# KiCad board FrontEnd_5G.kicad_pcb (continued)
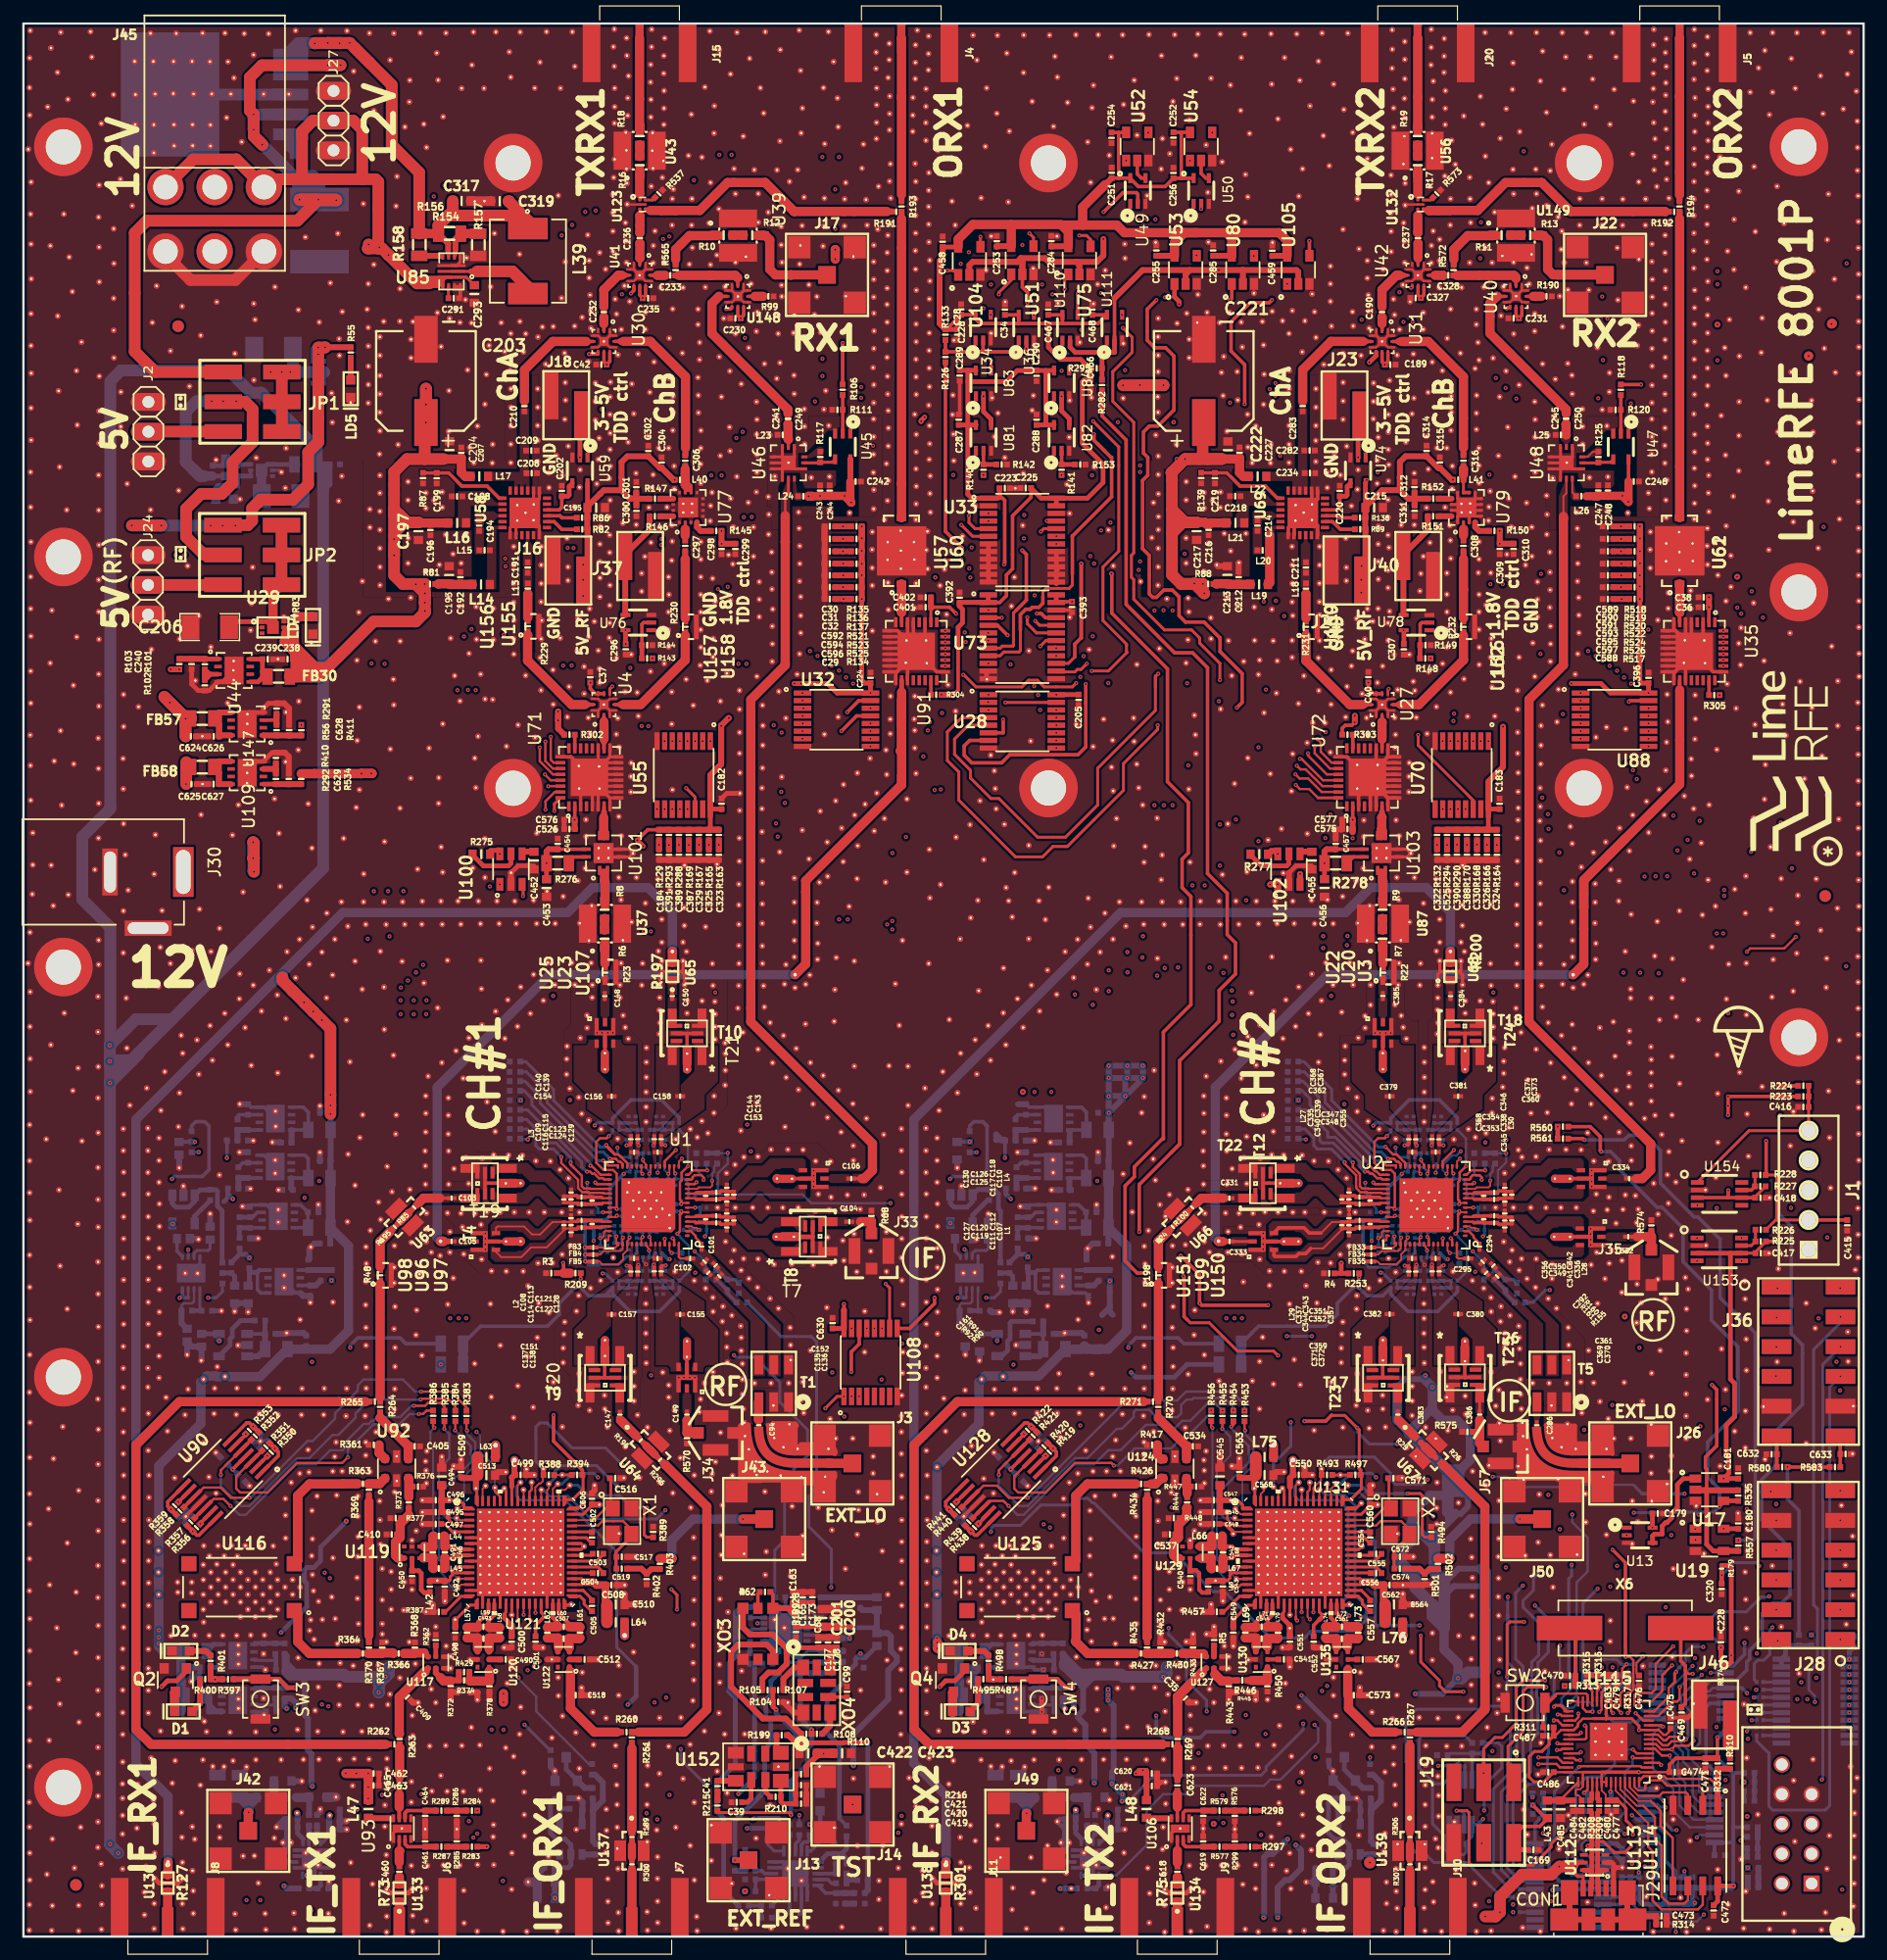
[diagram p0: board, top side]
## Placement (name value [footprint] x y rotation side) (continued)
Ref**#2608  Val**  [VIA_600_400]  27.67 61 90 top
Ref**#2609  Val**  [VIA_600_400]  36.71 56.19 90 top
Ref**#2610  Val**  [VIA_600_400#5]  34.03 50.39 90 top
Ref**#2611  Val**  [VIA_600_400#5]  36.24 54.75 90 top
Ref**#2612  Val**  [VIA_600_400#5]  39.95 46.85 90 top
Ref**#2613  Val**  [VIA_600_400#5]  41.86 45.08 90 top
Ref**#2614  Val**  [VIA_600_400]  43.53 45.17 180 top
Ref**#2615  Val**  [VIA_600_400]  24.31 41.54 0 top
Ref**#2616  Val**  [VIA_600_400]  16.45 37.83 0 top
Ref**#2617  Val**  [VIA_600_400]  55.71 9.32 0 top
Ref**#2618  Val**  [VIA_600_400]  41.69 4.02 0 top
Ref**#2619  Val**  [VIA_600_400]  56.94 7.76 0 top
Ref**#2620  Val**  [VIA_600_400]  22.88 43.1 0 top
Ref**#2621  Val**  [VIA_600_400]  14.16 40.73 0 top
Ref**#2622  Val**  [VIA_600_400]  20.06 4.57 0 top
Ref**#2623  Val**  [VIA_600_400]  15.84 39.22 0 top
Ref**#2624  Val**  [VIA_600_400]  15.39 42.13 0 top
Ref**#2625  Val**  [VIA_600_400]  57.28 11.45 0 top
Ref**#2626  Val**  [VIA_600_400]  148.47 72.53 0 top
Ref**#2627  Val**  [VIA_600_400]  70.87 13.49 0 top
Ref**#2628  Val**  [VIA_600_400]  153.94 81 0 top
Ref**#2629  Val**  [VIA_600_400]  71.48 21.02 0 top
Ref**#2630  Val**  [VIA_600_400]  59.24 14.1 0 top
Ref**#2631  Val**  [VIA_600_400]  107.25 18 0 top
Ref**#2632  Val**  [VIA_600_400]  122.19 9.79 0 top
Ref**#2633  Val**  [VIA_600_400]  154 5.78 0 top
Ref**#2634  Val**  [VIA_600_400]  151.26 8.11 0 top
Ref**#2635  Val**  [VIA_600_400]  150.36 1.98 0 top
Ref**#2636  Val**  [VIA_600_400]  145.58 2.73 0 top
Ref**#2637  Val**  [VIA_600_400]  151.16 13.32 0 top
Ref**#2638  Val**  [VIA_600_400]  152.81 15.12 0 top
Ref**#2639  Val**  [VIA_600_400]  156.57 13.55 0 top
Ref**#2640  Val**  [VIA_600_400]  135.49 25.19 0 top
Ref**#2641  Val**  [VIA_600_400]  135.51 26.97 0 top
Ref**#2642  Val**  [VIA_600_400]  130.61 29.81 0 top
Ref**#2643  Val**  [VIA_600_400]  135.17 34.29 0 top
Ref**#2644  Val**  [VIA_600_400]  137.85 35.4 0 top
Ref**#2645  Val**  [VIA_600_400]  137.38 37.17 0 top
Ref**#2646  Val**  [VIA_600_400]  129.44 37.74 0 top
Ref**#2647  Val**  [VIA_600_400]  110.21 43.2 0 top
Ref**#2648  Val**  [VIA_600_400]  105.56 49.08 0 top
Ref**#2649  Val**  [VIA_600_400]  138.23 45.68 0 top
Ref**#2650  Val**  [VIA_600_400]  139.03 48.08 0 top
Ref**#2651  Val**  [VIA_600_400]  136.69 47.29 0 top
Ref**#2652  Val**  [VIA_600_400]  134.62 45.66 0 top
Ref**#2653  Val**  [VIA_600_400]  134.08 47.26 0 top
Ref**#2654  Val**  [VIA_600_400]  135.05 56.14 0 top
Ref**#2655  Val**  [VIA_600_400]  147.13 48.32 0 top
Ref**#2656  Val**  [VIA_600_400]  147.11 50.98 0 top
Ref**#2657  Val**  [VIA_600_400]  145 50.15 0 top
Ref**#2658  Val**  [VIA_600_400]  106.4 55.57 0 top
Ref**#2659  Val**  [VIA_600_400]  105.91 70.12 0 top
Ref**#2660  Val**  [VIA_600_400]  104.45 68.27 0 top
Ref**#2661  Val**  [VIA_600_400]  110.59 74.62 0 top
Ref**#2662  Val**  [VIA_600_400]  112.57 78.89 0 top
Ref**#2663  Val**  [VIA_600_400]  104.85 80.54 0 top
Ref**#2664  Val**  [VIA_600_400]  106.6 83.61 0 top
Ref**#2665  Val**  [VIA_600_400]  102.66 83.58 0 top
Ref**#2666  Val**  [VIA_600_400]  96.83 83.48 0 top
Ref**#2667  Val**  [VIA_600_400]  91.62 80.81 0 top
Ref**#2668  Val**  [VIA_600_400]  74.79 77.76 0 top
Ref**#2669  Val**  [VIA_600_400]  74.46 81.31 0 top
Ref**#2670  Val**  [VIA_600_400]  77.3 83.04 0 top
Ref**#2671  Val**  [VIA_600_400]  69.23 78.1 0 top
Ref**#2672  Val**  [VIA_600_400]  66.78 77.88 0 top
Ref**#2673  Val**  [VIA_600_400]  69.29 80.81 0 top
Ref**#2674  Val**  [VIA_600_400]  69.41 83.55 0 top
Ref**#2675  Val**  [VIA_600_400]  75.06 85.01 0 top
Ref**#2676  Val**  [VIA_600_400]  58.25 86.17 0 top
Ref**#2677  Val**  [VIA_600_400]  58.51 88.12 0 top
Ref**#2678  Val**  [VIA_600_400]  24.64 92.89 0 top
Ref**#2679  Val**  [VIA_600_400]  18.76 89.14 0 top
Ref**#2680  Val**  [VIA_600_400]  38.63 98.05 0 top
Ref**#2681  Val**  [VIA_600_400]  35.67 92.99 0 top
Ref**#2682  Val**  [VIA_600_400]  33.66 91.09 0 top
Ref**#2683  Val**  [VIA_600_400]  30.84 93.44 0 top
Ref**#2684  Val**  [VIA_600_400]  14.02 116.97 0 top
Ref**#2685  Val**  [VIA_600_400]  19.47 113.78 0 top
Ref**#2686  Val**  [VIA_600_400]  9.83 104.95 0 top
Ref**#2687  Val**  [VIA_600_400]  64.75 98.96 0 top
Ref**#2688  Val**  [VIA_600_400]  66.51 94.42 0 top
Ref**#2689  Val**  [VIA_600_400]  64.58 92.56 0 top
Ref**#2690  Val**  [VIA_600_400]  69.36 96.93 0 top
Ref**#2691  Val**  [VIA_600_400]  70.03 98.31 0 top
Ref**#2692  Val**  [VIA_600_400]  71.21 99.3 0 top
Ref**#2693  Val**  [VIA_600_400]  69.57 104.08 0 top
Ref**#2694  Val**  [VIA_600_400]  65.1 103.98 0 top
Ref**#2695  Val**  [VIA_600_400]  125.28 88.08 0 top
Ref**#2696  Val**  [VIA_600_400]  102.38 90.63 0 top
Ref**#2697  Val**  [VIA_600_400]  97.23 92.3 0 top
Ref**#2698  Val**  [VIA_600_400]  102.84 94.96 0 top
Ref**#2699  Val**  [VIA_600_400]  100.08 102.56 0 top
Ref**#2700  Val**  [VIA_600_400]  102.23 104.76 0 top
Ref**#2701  Val**  [VIA_600_400]  92.24 103.89 0 top
Ref**#2702  Val**  [VIA_600_400]  94.8 103.99 0 top
Ref**#2703  Val**  [VIA_600_400]  94.84 101.99 0 top
Ref**#2704  Val**  [VIA_600_400]  59.23 91.51 0 top
Ref**#2705  Val**  [VIA_600_400]  10.2 81.69 0 top
Ref**#2706  Val**  [VIA_600_400]  29.06 90.69 0 top
Ref**#2707  Val**  [VIA_600_400]  11.69 84.43 0 top
Ref**#2708  Val**  [VIA_600_400]  38.54 100.57 0 top
Ref**#2709  Val**  [VIA_600_400]  26.96 136.35 0 top
Ref**#2710  Val**  [VIA_600_400]  24.22 88.45 0 top
Ref**#2711  Val**  [VIA_600_400]  22.43 127.02 0 top
Ref**#2712  Val**  [VIA_600_400]  18.36 96.58 0 top
Ref**#2713  Val**  [VIA_600_400]  17.44 105.27 0 top
Ref**#2714  Val**  [VIA_600_400]  13.26 123.41 0 top
Ref**#2715  Val**  [VIA_600_400]  13.24 69.11 0 top
Ref**#2716  Val**  [VIA_600_400]  12.56 135.33 0 top
Ref**#2717  Val**  [VIA_600_400]  27.19 124.63 0 top
Ref**#2718  Val**  [VIA_600_400]  16.74 64.99 0 top
Ref**#2719  Val**  [VIA_600_400]  19.57 116.86 0 top
Ref**#2720  Val**  [VIA_600_400]  28.69 97.87 0 top
Ref**#2721  Val**  [VIA_600_400]  16.01 110.05 0 top
Ref**#2722  Val**  [VIA_600_400]  15.17 95.74 0 top
Ref**#2723  Val**  [VIA_600_400]  38.53 48.89 0 top
Ref**#2724  Val**  [VIA_600_400]  26.38 129.22 0 top
Ref**#2725  Val**  [VIA_600_400]  35.8 90.83 0 top
Ref**#2726  Val**  [VIA_600_400]  26.43 54.14 0 top
Ref**#2727  Val**  [VIA_600_400]  10.86 121.76 0 top
Ref**#2728  Val**  [VIA_600_400]  23.47 101.27 0 top
Ref**#2729  Val**  [VIA_600_400]  23.52 105.42 0 top
Ref**#2730  Val**  [VIA_600_400]  21.48 140.78 0 top
Ref**#2731  Val**  [VIA_600_400]  26.21 141.12 0 top
Ref**#2732  Val**  [VIA_600_400]  29.03 147.88 0 top
Ref**#2733  Val**  [VIA_600_400]  31.9 150.21 0 top
Ref**#2734  Val**  [VIA_600_400]  32.13 145.3 0 top
Ref**#2735  Val**  [VIA_600_400]  39.9 140.8 0 top
Ref**#2736  Val**  [VIA_600_400]  40.22 145.35 0 top
Ref**#2737  Val**  [VIA_600_400]  32.16 140.63 0 top
Ref**#2738  Val**  [VIA_600_400]  82.14 152.77 0 top
Ref**#2739  Val**  [VIA_600_400]  83.12 155.59 0 top
Ref**#2740  Val**  [VIA_600_400]  80.61 154.56 0 top
Ref**#2741  Val**  [VIA_600_400]  86.14 156.61 0 top
Ref**#2742  Val**  [VIA_600_400]  91.25 156.07 0 top
Ref**#2743  Val**  [VIA_600_400]  99.38 146.49 0 top
Ref**#2744  Val**  [VIA_600_400]  104.31 146.31 0 top
Ref**#2745  Val**  [VIA_600_400]  106.59 158.09 0 top
Ref**#2746  Val**  [VIA_600_400]  104.35 150.38 0 top
Ref**#2747  Val**  [VIA_600_400]  104.55 148.47 0 top
Ref**#2748  Val**  [VIA_600_400]  98.16 156.61 0 top
Ref**#2749  Val**  [VIA_600_400]  95.53 155.5 0 top
Ref**#2750  Val**  [VIA_600_400]  93.94 156.35 0 top
Ref**#2751  Val**  [VIA_600_400]  89.16 156.52 0 top
Ref**#2752  Val**  [VIA_600_400]  111.51 151.12 0 top
Ref**#2753  Val**  [VIA_600_400]  114.76 151.73 0 top
Ref**#2754  Val**  [VIA_600_400]  113.91 148.3 0 top
Ref**#2755  Val**  [VIA_600_400]  126.62 155.98 0 top
Ref**#2756  Val**  [VIA_600_400]  108.91 148.52 0 top
Ref**#2757  Val**  [VIA_600_400]  109.23 150.86 0 top
Ref**#2758  Val**  [VIA_600_400]  113.51 153.96 0 top
Ref**#2759  Val**  [VIA_600_400]  108.21 152.52 0 top
Ref**#2760  Val**  [VIA_600_400]  104.7 153.88 0 top
Ref**#2761  Val**  [VIA_600_400]  109.86 156.23 0 top
Ref**#2762  Val**  [VIA_600_400]  107.12 155.12 0 top
Ref**#2763  Val**  [VIA_600_400]  103.94 155.84 0 top
Ref**#2764  Val**  [VIA_600_400]  134.29 156.14 0 top
Ref**#2765  Val**  [VIA_600_400]  112.75 155.92 0 top
Ref**#2766  Val**  [VIA_600_400]  127.77 154.03 0 top
Ref**#2767  Val**  [VIA_600_400]  111 153.69 0 top
Ref**#2768  Val**  [VIA_600_400]  133.28 154.66 0 top
Ref**#2769  Val**  [VIA_600_400]  135.48 154.65 0 top
Ref**#2770  Val**  [VIA_600_400]  130.51 152.95 0 top
Ref**#2771  Val**  [VIA_600_400]  130.06 155.67 0 top
Ref**#2772  Val**  [VIA_600_400]  124.6 154.66 0 top
Ref**#2773  Val**  [VIA_600_400]  126.1 153.46 0 top
Ref**#2774  Val**  [VIA_600_400]  156.64 83.64 0 top
Ref**#2775  Val**  [VIA_600_400]  156.66 81.45 0 top
Ref**#2776  Val**  [VIA_600_400]  156.66 79.21 0 top
Ref**#2777  Val**  [VIA_600_400]  156.68 76.96 0 top
Ref**#2778  Val**  [VIA_600_400]  156.68 75 0 top
Ref**#2779  Val**  [VIA_600_400]  156.68 96.67 0 top
Ref**#2780  Val**  [VIA_600_400]  156.68 98.63 0 top
Ref**#2781  Val**  [VIA_600_400]  156.66 100.88 0 top
Ref**#2782  Val**  [VIA_600_400]  156.66 103.12 0 top
Ref**#2783  Val**  [VIA_600_400]  156.64 105.31 0 top
Ref**#2784  Val**  [VIA_600_400]  156.68 94.6 0 top
Ref**#2785  Val**  [VIA_600_400]  156.7 92.41 0 top
Ref**#2786  Val**  [VIA_600_400]  156.7 90.17 0 top
Ref**#2787  Val**  [VIA_600_400]  156.72 87.92 0 top
Ref**#2788  Val**  [VIA_600_400]  156.72 85.96 0 top
Ref**#2789  Val**  [VIA_600_400]  156.74 129.2 0 top
Ref**#2790  Val**  [VIA_600_400]  156.74 131.16 0 top
Ref**#2791  Val**  [VIA_600_400]  156.72 133.41 0 top
Ref**#2792  Val**  [VIA_600_400]  156.72 135.65 0 top
Ref**#2793  Val**  [VIA_600_400]  156.7 137.84 0 top
Ref**#2794  Val**  [VIA_600_400]  156.66 148.55 0 top
Ref**#2795  Val**  [VIA_600_400]  156.68 146.36 0 top
Ref**#2796  Val**  [VIA_600_400]  156.68 144.12 0 top
Ref**#2797  Val**  [VIA_600_400]  156.7 141.87 0 top
Ref**#2798  Val**  [VIA_600_400]  156.7 139.91 0 top
Ref**#2799  Val**  [VIA_600_400]  156.7 118.24 0 top
Ref**#2800  Val**  [VIA_600_400]  156.7 120.2 0 top
Ref**#2801  Val**  [VIA_600_400]  156.68 122.45 0 top
Ref**#2802  Val**  [VIA_600_400]  156.68 124.69 0 top
Ref**#2803  Val**  [VIA_600_400]  156.66 126.88 0 top
Ref**#2804  Val**  [VIA_600_400]  156.7 116.17 0 top
Ref**#2805  Val**  [VIA_600_400]  156.72 113.98 0 top
Ref**#2806  Val**  [VIA_600_400]  156.72 111.74 0 top
Ref**#2807  Val**  [VIA_600_400]  156.74 109.49 0 top
Ref**#2808  Val**  [VIA_600_400]  156.74 107.53 0 top
Ref**#2809  Val**  [VIA_600_400]  156.61 150.72 0 top
Ref**#2810  Val**  [VIA_600_400]  156.61 152.68 0 top
Ref**#2811  Val**  [VIA_600_400]  156.59 154.93 0 top
Ref**#2812  Val**  [VIA_600_400]  155.4 155.97 0 top
Ref**#2813  Val**  [VIA_600_400]  148.16 159.47 0 top
Ref**#2814  Val**  [VIA_600_400]  24.63 75.14 0 top
Ref**#2815  Val**  [VIA_600_400]  27.88 74.65 0 top
Ref**#2816  Val**  [VIA_600_400]  21.92 89.62 0 top
Ref**#2817  Val**  [VIA_600_400]  27.34 93.72 0 top
Ref**#2818  Val**  [VIA_600_400]  153.26 118.49 0 top
Ref**#2819  Val**  [VIA_600_400]  149 122.49 0 top
Ref**#2820  Val**  [VIA_600_400]  150.95 133.52 0 top
Ref**#2821  Val**  [VIA_600_400]  148.39 135.18 0 top
Ref**#2822  Val**  [VIA_600_400]  154.73 133.48 0 top
Ref**#2823  Val**  [VIA_600_400]  153.78 135.54 0 top
Ref**#2824  Val**  [VIA_600_400]  152.77 142.15 0 top
Ref**#2825  Val**  [VIA_600_400]  153.3 138.87 0 top
Ref**#2826  Val**  [VIA_600_400]  148.47 138.13 0 top
Ref**#2827  Val**  [VIA_600_400]  154.61 125.88 0 top
Ref**#2828  Val**  [VIA_600_400]  148.94 125.78 0 top
Ref**#2829  Val**  [VIA_600_400]  154.64 141.45 0 top
Ref**#2830  Val**  [VIA_600_400]  151.8 136.93 0 top
Ref**#2831  Val**  [VIA_600_400]  152.81 128.38 0 top
Ref**#2832  Val**  [VIA_600_400]  150.22 140.63 0 top
Ref**#2833  Val**  [VIA_600_400]  152.78 123.37 0 top
Ref**#2834  Val**  [VIA_600_400]  152.69 131.09 0 top
Ref**#2835  Val**  [VIA_600_400]  148.91 131.11 0 top
Ref**#2836  Val**  [VIA_600_400]  149.81 128.41 0 top
Ref**#2837  Val**  [VIA_600_400]  150.85 111.24 0 top
Ref**#2838  Val**  [VIA_600_400]  151.71 107.11 0 top
Ref**#2839  Val**  [VIA_600_400]  150.21 105.17 0 top
Ref**#2840  Val**  [VIA_600_400]  148.63 108.87 0 top
Ref**#2841  Val**  [VIA_600_400]  154.93 107.15 0 top
Ref**#2842  Val**  [VIA_600_400]  147.74 113.81 0 top
Ref**#2843  Val**  [VIA_600_400]  154.41 110.11 0 top
Ref**#2844  Val**  [VIA_600_400]  155.07 120.97 0 top
Ref**#2845  Val**  [VIA_600_400]  149.04 118.34 0 top
Ref**#2846  Val**  [VIA_600_400]  149.31 80.18 0 top
Ref**#2847  Val**  [VIA_600_400]  153.98 83.48 0 top
Ref**#2848  Val**  [VIA_600_400]  144.52 64.79 0 top
Ref**#2849  Val**  [VIA_600_400]  144.69 67.77 0 top
Ref**#2850  Val**  [VIA_600_400]  147.19 70.2 0 top
Ref**#2851  Val**  [VIA_600_400]  155.06 76.49 0 top
Ref**#2852  Val**  [VIA_600_400]  154.14 72.16 0 top
Ref**#2853  Val**  [VIA_600_400]  147.3 66.59 0 top
Ref**#2854  Val**  [VIA_600_400]  156.64 62.16 0 top
Ref**#2855  Val**  [VIA_600_400]  156.66 59.91 0 top
Ref**#2856  Val**  [VIA_600_400]  156.66 57.95 0 top
Ref**#2857  Val**  [VIA_600_400]  45.86 157.74 0 top
Ref**#2858  Val**  [VIA_600_400]  39.33 157.73 0 top
Ref**#2859  Val**  [VIA_600_400]  41.61 158.68 0 top
Ref**#2860  Val**  [VIA_600_400]  43.66 157.75 0 top
Ref**#2861  Val**  [VIA_600_400]  37.42 157.73 0 top
Ref**#2862  Val**  [VIA_600_400]  7.73 134.73 0 top
Ref**#2863  Val**  [VIA_600_400]  8.32 131.82 0 top
Ref**#2864  Val**  [VIA_600_400]  7.71 145.75 0 top
Ref**#2865  Val**  [VIA_600_400]  7.71 137.08 0 top
Ref**#2866  Val**  [VIA_600_400]  8.31 128.86 0 top
Ref**#2867  Val**  [VIA_600_400]  7.71 139.81 0 top
Ref**#2868  Val**  [VIA_600_400]  7.73 142.78 0 top
Ref**#2869  Val**  [VIA_600_400]  8.51 100.53 0 top
Ref**#2870  Val**  [VIA_600_400]  8.55 106 0 top
Ref**#2871  Val**  [VIA_600_400]  8.56 103.26 0 top
Ref**#2872  Val**  [VIA_600_400]  8.55 94.97 0 top
Ref**#2873  Val**  [VIA_600_400]  8.7 92.32 0 top
Ref**#2874  Val**  [VIA_600_400]  18.47 82.16 0 top
Ref**#2875  Val**  [VIA_600_400]  8.94 89.3 0 top
Ref**#2876  Val**  [VIA_600_400]  8.53 97.94 0 top
Ref**#2877  Val**  [VIA_600_400]  8.53 83.95 0 top
Ref**#2878  Val**  [VIA_600_400]  8.54 87.53 0 top
Ref**#2879  Val**  [VIA_600_400]  136.78 84.07 0 top
Ref**#2880  Val**  [VIA_600_400]  111.6 101.06 0 top
Ref**#2881  Val**  [VIA_600_400]  119.86 102.65 0 top
Ref**#2882  Val**  [VIA_600_400]  145.42 80.01 0 top
Ref**#2883  Val**  [VIA_600_400]  147.12 83.07 0 top
Ref**#2884  Val**  [VIA_600_400]  149.41 83.38 0 top
Ref**#2885  Val**  [VIA_600_400]  17.85 94 0 top
Ref**#2886  Val**  [VIA_600_400]  15.04 87.68 0 top
Ref**#2887  Val**  [VIA_600_400]  21.83 94.15 0 top
Ref**#2888  Val**  [VIA_600_400]  24.32 96.67 0 top
Ref**#2889  Val**  [VIA_600_400]  21.44 97.1 0 top
Ref**#2890  Val**  [VIA_600_400]  51.53 160.52 0 top
Ref**#2891  Val**  [VIA_600_400]  120.39 158.34 0 top
Ref**#2892  Val**  [VIA_600_400]  110.58 160.04 0 top
Ref**#2893  Val**  [VIA_600_400]  103.99 160.35 0 top
Ref**#2894  Val**  [VIA_600_400]  107.69 160.35 0 top
Ref**#2895  Val**  [VIA_600_400]  85.4 159.07 0 top
Ref**#2896  Val**  [VIA_600_400]  92.88 160.41 0 top
Ref**#2897  Val**  [VIA_600_400]  97.18 160.52 0 top
Ref**#2898  Val**  [VIA_600_400]  100.11 160.54 0 top
Ref**#2899  Val**  [VIA_600_400]  88.08 160.45 0 top
Ref**#2900  Val**  [VIA_600_400]  83.97 160.73 0 top
Ref**#2901  Val**  [VIA_600_400]  111.88 158.09 0 top
Ref**#2902  Val**  [VIA_600_400]  103.07 158.01 0 top
Ref**#2903  Val**  [VIA_600_400]  108.99 158.4 0 top
Ref**#2904  Val**  [VIA_600_400]  88.29 158.69 0 top
Ref**#2905  Val**  [VIA_600_400]  94.85 158.42 0 top
Ref**#2906  Val**  [VIA_600_400]  98.48 158.57 0 top
Ref**#2907  Val**  [VIA_600_400]  101.41 158.59 0 top
Ref**#2908  Val**  [VIA_600_400]  91.37 157.99 0 top
Ref**#2909  Val**  [VIA_600_400]  81.42 160.14 0 top
Ref**#2910  Val**  [VIA_600_400]  82.25 157.76 0 top
Ref**#2911  Val**  [VIA_600_400]  133.49 162.49 0 top
Ref**#2912  Val**  [VIA_600_400]  135.69 162.48 0 top
Ref**#2913  Val**  [VIA_600_400]  131.4 162.48 0 top
Ref**#2914  Val**  [VIA_600_400]  129.2 162.49 0 top
Ref**#2915  Val**  [VIA_600_400]  124.81 162.49 0 top
Ref**#2916  Val**  [VIA_600_400]  127.01 162.48 0 top
Ref**#2917  Val**  [VIA_600_400]  133.79 160.42 0 top
Ref**#2918  Val**  [VIA_600_400]  135.99 160.41 0 top
Ref**#2919  Val**  [VIA_600_400]  131.7 160.41 0 top
Ref**#2920  Val**  [VIA_600_400]  129.72 160.9 0 top
Ref**#2921  Val**  [VIA_600_400]  125.11 160.42 0 top
Ref**#2922  Val**  [VIA_600_400]  127.2 159.9 0 top
Ref**#2923  Val**  [VIA_600_400]  122.99 155.37 0 top
Ref**#2924  Val**  [VIA_600_400]  147.45 162.48 0 top
Ref**#2925  Val**  [VIA_600_400]  153.69 162.5 0 top
Ref**#2926  Val**  [VIA_600_400]  151.44 162.47 0 top
Ref**#2927  Val**  [VIA_600_400]  149.36 162.48 0 top
Ref**#2928  Val**  [VIA_600_400]  155.89 162.49 0 top
Ref**#2929  Val**  [VIA_600_400]  155.75 158.95 0 top
Ref**#2930  Val**  [VIA_600_400]  153.45 158.8 0 top
Ref**#2931  Val**  [VIA_600_400]  150.96 160.27 0 top
Ref**#2932  Val**  [VIA_600_400]  148.7 160.96 0 top
Ref**#2933  Val**  [VIA_600_400]  156.09 160.84 0 top
Ref**#2934  Val**  [VIA_600_400]  38.43 162.54 0 top
Ref**#2935  Val**  [VIA_600_400]  44.67 162.56 0 top
Ref**#2936  Val**  [VIA_600_400]  42.42 162.53 0 top
Ref**#2937  Val**  [VIA_600_400]  40.34 162.54 0 top
Ref**#2938  Val**  [VIA_600_400]  46.87 162.55 0 top
Ref**#2939  Val**  [VIA_600_400]  36.08 162.45 0 top
Ref**#2940  Val**  [VIA_600_400]  29.55 162.44 0 top
Ref**#2941  Val**  [VIA_600_400]  31.63 162.43 0 top
Ref**#2942  Val**  [VIA_600_400]  33.88 162.46 0 top
Ref**#2943  Val**  [VIA_600_400]  23.24 162.66 0 top
Ref**#2944  Val**  [VIA_600_400]  20.94 162.39 0 top
Ref**#2945  Val**  [VIA_600_400]  18.86 162.4 0 top
Ref**#2946  Val**  [VIA_600_400]  27.63 162.64 0 top
Ref**#2947  Val**  [VIA_600_400]  25.39 162.66 0 top
Ref**#2948  Val**  [VIA_600_400]  17.98 158.62 0 top
Ref**#2949  Val**  [VIA_600_400]  32.99 158.42 0 top
Ref**#2950  Val**  [VIA_600_400]  5.73 162.57 0 top
Ref**#2951  Val**  [VIA_600_400]  19.65 160.59 0 top
Ref**#2952  Val**  [VIA_600_400]  0.53 160.32 0 top
Ref**#2953  Val**  [VIA_600_400]  35.84 155.31 0 top
Ref**#2954  Val**  [VIA_600_400]  13.55 139.13 0 top
Ref**#2955  Val**  [VIA_600_400]  29.92 155.82 0 top
Ref**#2956  Val**  [VIA_600_400]  34.42 152.69 0 top
Ref**#2957  Val**  [VIA_600_400]  47.08 159.6 0 top
Ref**#2958  Val**  [VIA_600_400]  38.3 159.72 0 top
Ref**#2959  Val**  [VIA_600_400]  41.49 160.84 0 top
Ref**#2960  Val**  [VIA_600_400]  44.11 159.96 0 top
Ref**#2961  Val**  [VIA_600_400]  35.29 160.75 0 top
Ref**#2962  Val**  [VIA_600_400]  13.05 162.41 0 top
Ref**#2963  Val**  [VIA_600_400]  15.3 162.44 0 top
Ref**#2964  Val**  [VIA_600_400]  0.58 162.66 0 top
Ref**#2965  Val**  [VIA_600_400]  8.6 162.39 0 top
Ref**#2966  Val**  [VIA_600_400]  10.85 162.42 0 top
Ref**#2967  Val**  [VIA_600_400]  17.21 162.44 0 top
Ref**#2968  Val**  [VIA_600_400]  2.91 159.09 0 top
Ref**#2969  Val**  [VIA_600_400]  17.47 160 0 top
Ref**#2970  Val**  [VIA_600_400]  2.35 161.17 0 top
Ref**#2971  Val**  [VIA_600_400]  42.99 49.53 180 top
Ref**#2972  Val**  [VIA_600_400]  43.88 51.12 180 top
Ref**#2973  Val**  [VIA_600_400]  153.88 2.05 180 top
Ref**#2974  Val**  [VIA_600_400]  149.75 49.05 0 top
Ref**#2975  Val**  [VIA_600_400]  149.85 56.99 0 top
Ref**#2976  Val**  [VIA_600_400]  154.31 63.89 0 top
Ref**#2977  Val**  [VIA_600_400]  154.22 68.18 0 top
Ref**#2978  Val**  [VIA_600_400]  150.88 67.48 0 top
Ref**#2979  Val**  [VIA_600_400]  151.14 70.41 0 top
Ref**#2980  Val**  [VIA_600_400]  151.42 83.91 0 top
Ref**#2981  Val**  [VIA_600_400]  144.18 84.45 0 top
Ref**#2982  Val**  [VIA_600_400]  110.75 76.98 0 top
Ref**#2983  Val**  [VIA_600_400]  104.55 100.58 0 top
Ref**#2984  Val**  [VIA_600_400]  26.43 32.31 0 top
Ref**#2985  Val**  [VIA_600_400]  39.81 14.34 0 top
Ref**#2986  Val**  [VIA_600_400]  38.25 17.85 0 top
Ref**#2987  Val**  [VIA_600_400]  42.37 17.27 0 top
Ref**#2988  Val**  [VIA_600_400]  45.13 16.96 0 top
Ref**#2989  Val**  [VIA_600_400]  47.47 14.34 0 top
Ref**#2990  Val**  [VIA_600_400]  58.74 6.48 0 top
Ref**#2991  Val**  [VIA_600_400]  58.75 9.51 0 top
Ref**#2992  Val**  [VIA_600_400]  73.39 7.75 0 top
Ref**#2993  Val**  [VIA_600_400]  64.47 14.5 0 top
Ref**#2994  Val**  [VIA_600_400]  0.66 149.73 0 top
Ref**#2995  Val**  [VIA_600_400]  0.61 147 0 top
Ref**#2996  Val**  [VIA_600_400]  0.61 124.98 0 top
Ref**#2997  Val**  [VIA_600_400]  0.67 133.42 0 top
Ref**#2998  Val**  [VIA_600_400]  0.65 130.45 0 top
Ref**#2999  Val**  [VIA_600_400]  0.65 144.44 0 top
Ref**#3000  Val**  [VIA_600_400]  0.65 135.77 0 top
Ref**#3001  Val**  [VIA_600_400]  0.66 127.71 0 top
Ref**#3002  Val**  [VIA_600_400]  0.65 138.5 0 top
Ref**#3003  Val**  [VIA_600_400]  0.67 141.47 0 top
Ref**#3004  Val**  [VIA_600_400]  0.58 102.53 0 top
Ref**#3005  Val**  [VIA_600_400]  0.64 110.97 0 top
Ref**#3006  Val**  [VIA_600_400]  0.62 108 0 top
Ref**#3007  Val**  [VIA_600_400]  0.62 121.99 0 top
Ref**#3008  Val**  [VIA_600_400]  0.62 113.32 0 top
Ref**#3009  Val**  [VIA_600_400]  0.63 105.26 0 top
Ref**#3010  Val**  [VIA_600_400]  0.62 116.05 0 top
Ref**#3011  Val**  [VIA_600_400]  0.64 119.02 0 top
Ref**#3012  Val**  [VIA_600_400]  0.62 96.97 0 top
Ref**#3013  Val**  [VIA_600_400]  0.8 94.19 0 top
Ref**#3014  Val**  [VIA_600_400]  0.8 91.46 0 top
Ref**#3015  Val**  [VIA_600_400]  0.6 99.94 0 top
Ref**#3016  Val**  [VIA_600_400]  2.55 87.97 0 top
Ref**#3017  Val**  [VIA_600_400]  2.37 91.43 0 top
Ref**#3018  Val**  [VIA_600_400]  0.5 11.46 0 top
Ref**#3019  Val**  [VIA_600_400]  0.53 69.28 0 top
Ref**#3020  Val**  [VIA_600_400]  0.53 16.73 0 top
Ref**#3021  Val**  [VIA_600_400]  0.55 19.53 0 top
Ref**#3022  Val**  [VIA_600_400]  0.54 24.39 0 top
Ref**#3023  Val**  [VIA_600_400]  0.55 27.12 0 top
Ref**#3024  Val**  [VIA_600_400]  0.54 40.89 0 top
Ref**#3025  Val**  [VIA_600_400]  0.56 43.86 0 top
Ref**#3026  Val**  [VIA_600_400]  0.55 35.21 0 top
Ref**#3027  Val**  [VIA_600_400]  0.53 32.24 0 top
Ref**#3028  Val**  [VIA_600_400]  0.54 49.65 0 top
Ref**#3029  Val**  [VIA_600_400]  0.56 52.62 0 top
Ref**#3030  Val**  [VIA_600_400]  0.55 61.13 0 top
Ref**#3031  Val**  [VIA_600_400]  0.53 58.16 0 top
Ref**#3032  Val**  [VIA_600_400]  0.53 63.48 0 top
Ref**#3033  Val**  [VIA_600_400]  0.54 55.42 0 top
Ref**#3034  Val**  [VIA_600_400]  0.52 46.45 0 top
Ref**#3035  Val**  [VIA_600_400]  0.53 37.79 0 top
Ref**#3036  Val**  [VIA_600_400]  0.52 29.51 0 top
Ref**#3037  Val**  [VIA_600_400]  0.52 21.59 0 top
Ref**#3038  Val**  [VIA_600_400]  0.53 14.53 0 top
Ref**#3039  Val**  [VIA_600_400]  0.52 9.35 0 top
Ref**#3040  Val**  [VIA_600_400]  0.53 66.21 0 top
Ref**#3041  Val**  [VIA_600_400]  0.56 85.7 0 top
Ref**#3042  Val**  [VIA_600_400]  0.57 74.91 0 top
Ref**#3043  Val**  [VIA_600_400]  0.4 83.06 0 top
Ref**#3044  Val**  [VIA_600_400]  0.56 77.65 0 top
Ref**#3045  Val**  [VIA_600_400]  0.58 80.62 0 top
Ref**#3046  Val**  [VIA_600_400]  0.59 72.11 0 top
Ref**#3047  Val**  [VIA_600_400]  0.76 88.96 0 top
Ref**#3048  Val**  [VIA_600_400]  0.54 4.82 0 top
Ref**#3049  Val**  [VIA_600_400]  0.54 7.13 0 top
Ref**#3050  Val**  [VIA_600_400]  0.51 2.72 0 top
Ref**#3051  Val**  [VIA_600_400]  0.5 0.54 0 top
Ref**#3052  Val**  [VIA_600_400]  2.41 0.52 0 top
Ref**#3053  Val**  [VIA_600_400]  2.47 2.63 0 top
Ref**#3054  Val**  [VIA_600_400]  2.47 8.33 0 top
Ref**#3055  Val**  [VIA_600_400]  2.01 5.31 0 top
Ref**#3056  Val**  [VIA_600_400]  4.36 5.85 0 top
Ref**#3057  Val**  [VIA_600_400]  4.89 9.33 0 top
Ref**#3058  Val**  [VIA_600_400]  4.72 2.66 0 top
Ref**#3059  Val**  [VIA_600_400]  4.71 0.48 0 top
Ref**#3060  Val**  [VIA_600_400]  16.75 86.04 0 top
Ref**#3061  Val**  [VIA_600_400]  3.74 53.56 0 top
Ref**#3062  Val**  [VIA_600_400]  4.64 60.81 0 top
Ref**#3063  Val**  [VIA_600_400]  4.67 74.12 0 top
Ref**#3064  Val**  [VIA_600_400]  2.29 108.68 0 top
Ref**#3065  Val**  [VIA_600_400]  4.22 72.19 0 top
Ref**#3066  Val**  [VIA_600_400]  3.04 63.72 0 top
Ref**#3067  Val**  [VIA_600_400]  3.13 57.23 0 top
Ref**#3068  Val**  [VIA_600_400]  1.95 68.05 0 top
Ref**#3069  Val**  [VIA_600_400]  3.49 78.81 0 top
Ref**#3070  Val**  [VIA_600_400]  2.34 76.1 0 top
Ref**#3071  Val**  [VIA_600_400]  5 67.89 0 top
Ref**#3072  Val**  [VIA_600_400]  2.57 40.78 0 top
Ref**#3073  Val**  [VIA_600_400]  3.36 43.51 0 top
Ref**#3074  Val**  [VIA_600_400]  3 21.93 0 top
Ref**#3075  Val**  [VIA_600_400]  4.5 29.39 0 top
Ref**#3076  Val**  [VIA_600_400]  4.72 38.07 0 top
Ref**#3077  Val**  [VIA_600_400]  4.48 24.23 0 top
Ref**#3078  Val**  [VIA_600_400]  4.75 18.29 0 top
Ref**#3079  Val**  [VIA_600_400]  2.85 26.34 0 top
Ref**#3080  Val**  [VIA_600_400]  3.75 33.59 0 top
Ref**#3081  Val**  [VIA_600_400]  2.15 36.5 0 top
Ref**#3082  Val**  [VIA_600_400]  2.24 30.01 0 top
Ref**#3083  Val**  [VIA_600_400]  2.2 16.74 0 top
Ref**#3084  Val**  [VIA_600_400]  3.11 19.85 0 top
Ref**#3085  Val**  [VIA_600_400]  4.96 136.08 0 top
Ref**#3086  Val**  [VIA_600_400]  2.3 144.29 0 top
Ref**#3087  Val**  [VIA_600_400]  3.45 147 0 top
Ref**#3088  Val**  [VIA_600_400]  3.09 125.42 0 top
Ref**#3089  Val**  [VIA_600_400]  3 131.91 0 top
Ref**#3090  Val**  [VIA_600_400]  4.18 140.38 0 top
Ref**#3091  Val**  [VIA_600_400]  2.93 138.3 0 top
Ref**#3092  Val**  [VIA_600_400]  4.6 129 0 top